# Altium PCB vme64x6U_ctrlc.PcbDoc (part 15 of 16) (continued)
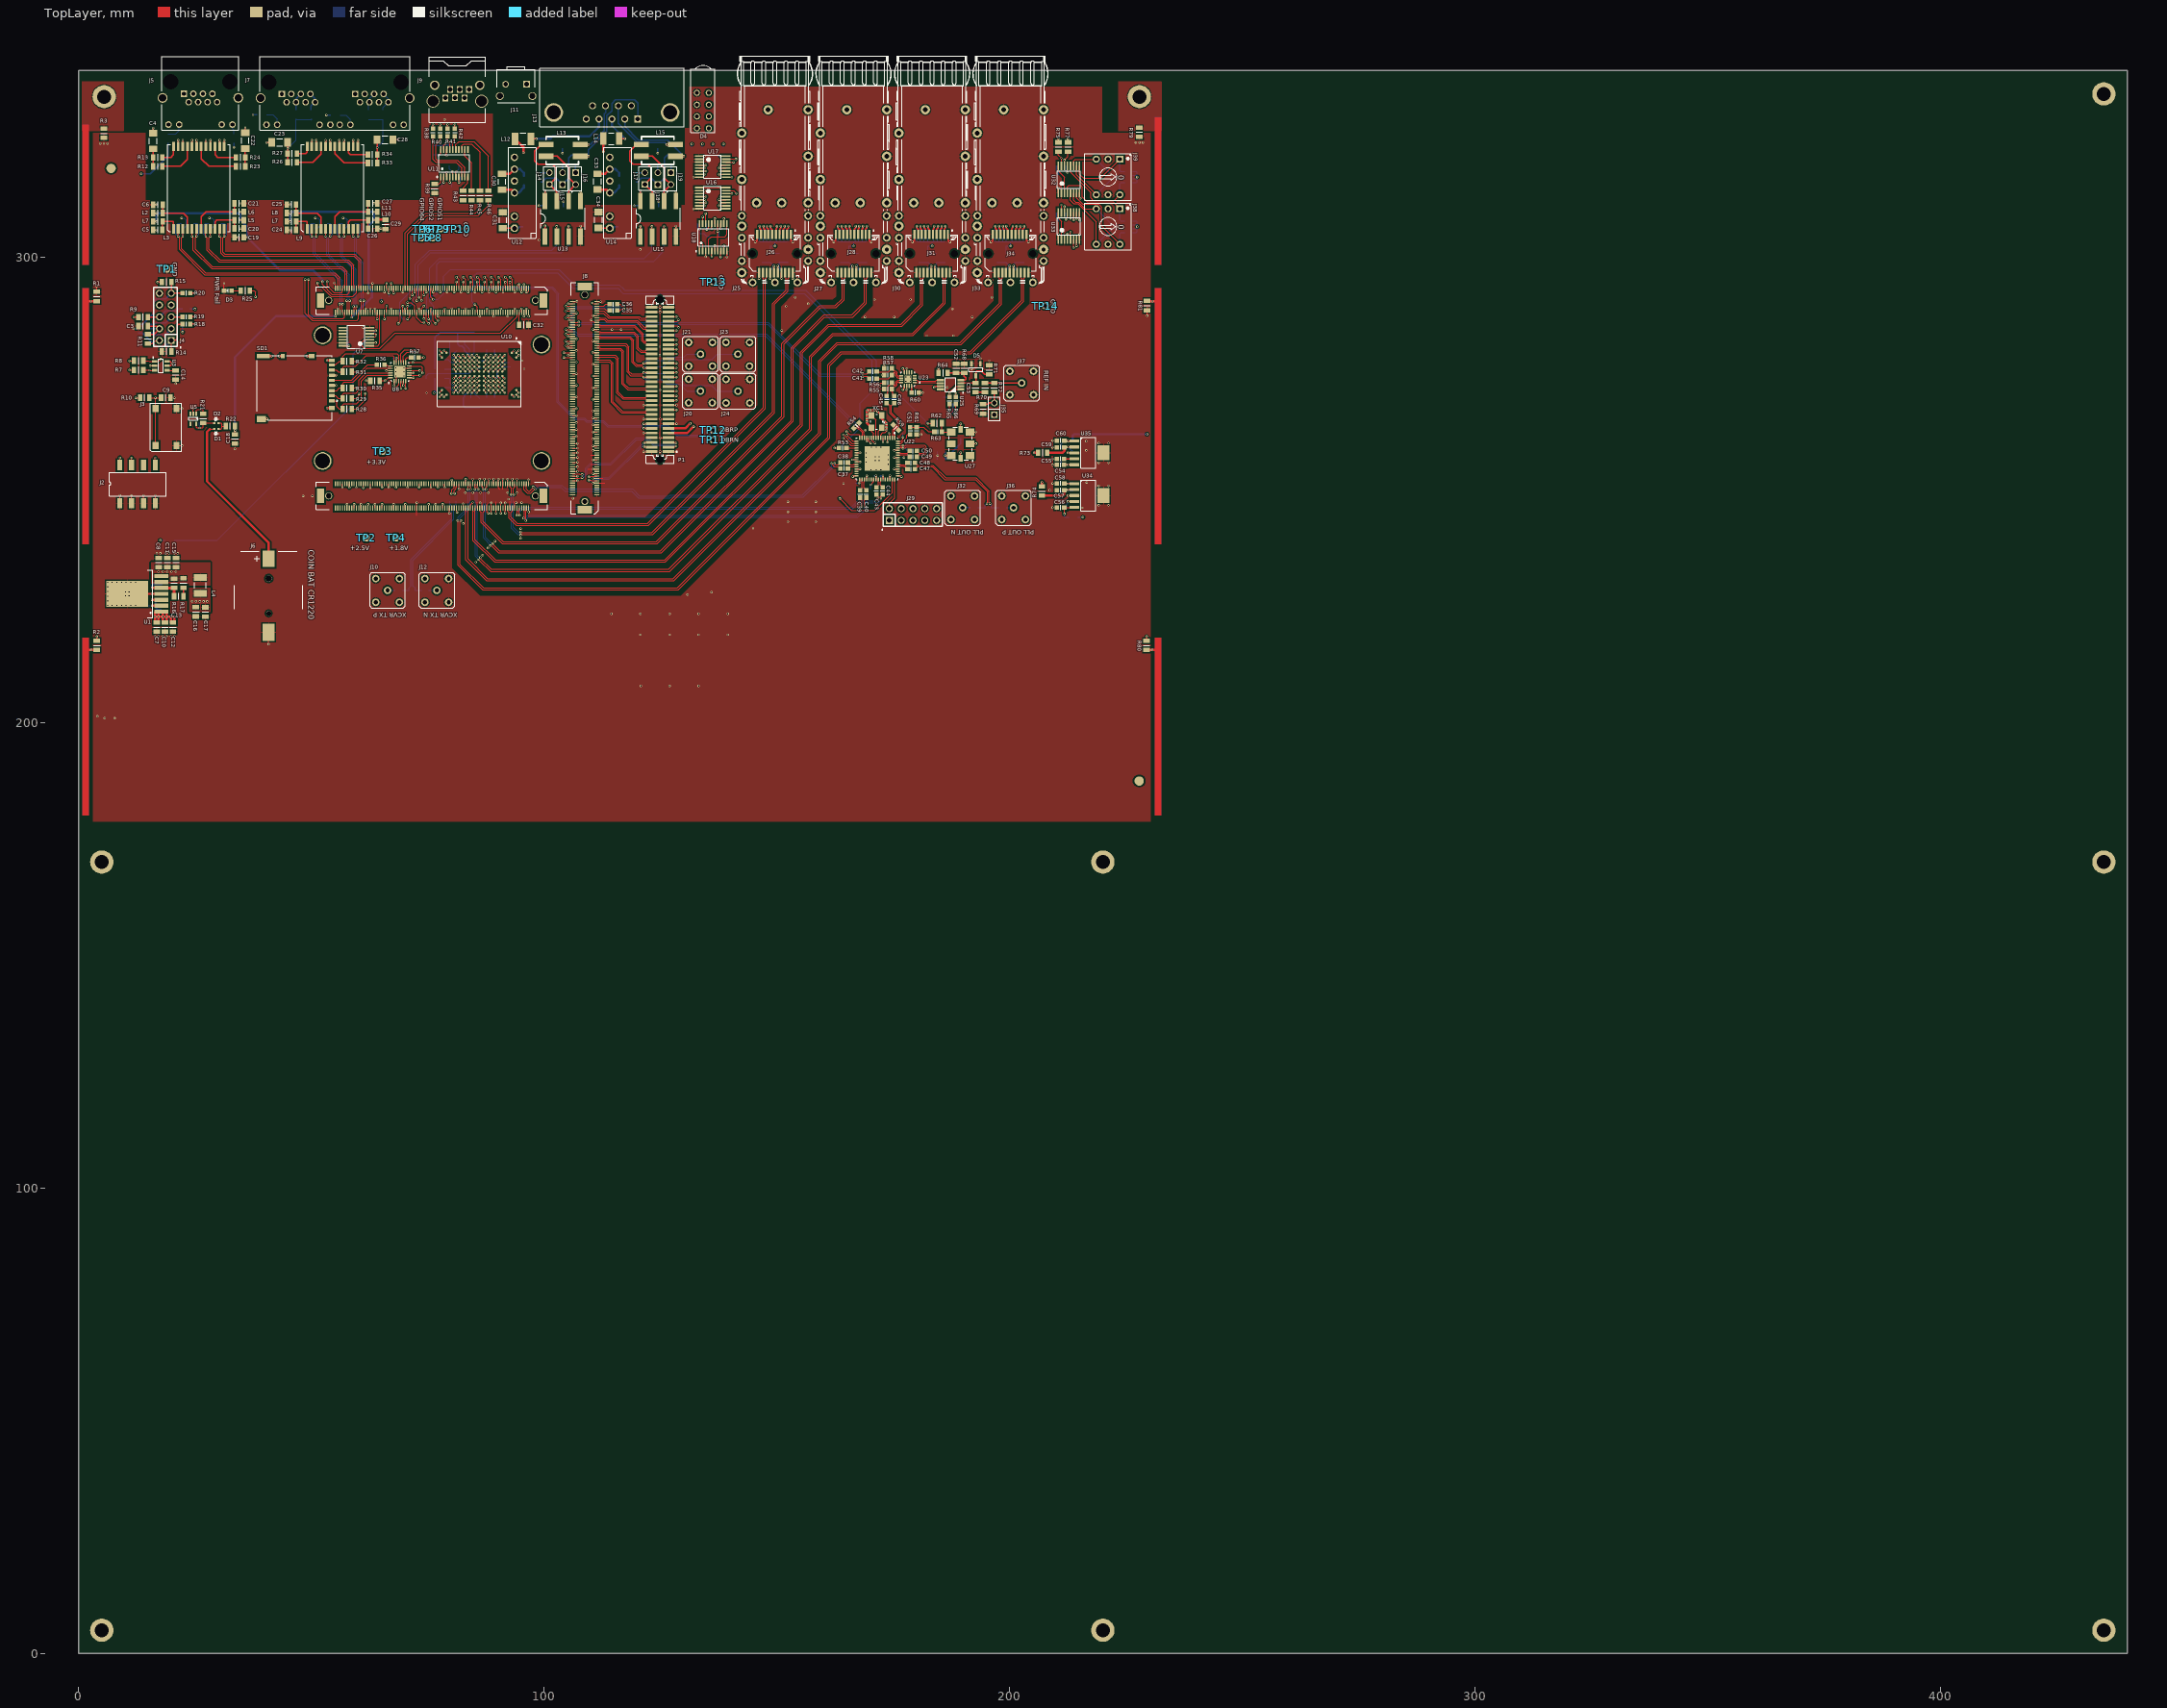
[diagram p0: TopLayer view]
## Nets (pads, with @x,y where several pads share a name; then routed paths per layer and width w, separated by ;. In a path a pad name is that pad's centre, name@x,y a point inside that pad or via, vN(x,y) a via of type N, cw(c..) or ccw(c..) an arc to the next point about the centre after c; other vN are vias at no path point) (continued)
NetL9_21: L9.21 R26.2 | length 7.5
  TopLayer w0.3: R26.2@46.91,320.31 50.335,320.31 52.075,322.05 L9.21@52.075,323.7
NetL9_24: L9.24 R27.2 | length 3.5
  TopLayer w0.3: R27.2@46.91,322.16 48.785,322.16 49.105,322.48 L9.24@49.105,323.7
NetQ1_1: 
NetQ3_1: 
NetQ4_1: 
NetQ6_1: 
NetQ8_1: 
NetQ10_1: 
NetQ11_3: 
NetQ12_1: 
NetQ12_3: 
NetQ13_1: 
NetQ13_3: 
NetQ14_1: 
NetQ14_3: 
NetQ16_1: 
NetQ18_1: 
NetQ19_1: 
NetQ21_1: 
NetQ22_3: 
NetQ23_1: 
NetQ24_1: 
NetQ24_3: 
NetQ25_1: 
NetQ26_1: 
NetQ28_1: 
NetQ29_1: 
NetQ30_1: 
NetQ31_3: 
NetQ32_1: 
NetQ33_1: 
NetQ33_3: 
NetQ34_1: 
NetQ36_1: 
NetQ39_1: 
NetQ40_1: 
NetQ41_1: 
NetQ43_1: 
NetQ45_DCP_D+_1: 
NetQ45_DCP_D+_3: 
NetQ45_DCP_D-_3: 
NetQ45_DCP_H-_3: 
NetQ45_DCP_i+_3: 
NetQ45_DCP_i-_3: 
NetQ45_DCP_S+_1: 
NetQ45_DCP_S+_3: 
NetQ45_DCP_S-_3: 
NetR5_2: 
NetR11_2: 
NetR21_1: R21.1 U5.1 | length 3.1
  TopLayer w0.25: U5.1@25.3,266.325 25.3,267.075 25.425,267.2 26.6,267.2 26.775,267.025 R21.1@26.775,266.3
NetR30_2: 
NetR36_1: R36.1 U8.19 | length 1.5
  TopLayer w0.15: R36.1@65.675,276.8 66.175,276.8 66.425,276.55 U8.19@67.025,276.55
NetR37_1: R37.1 U8.13 | length 2.1
  TopLayer w0.15: U8.13@70.275,277.3 70.275,278.05 70.6,278.375 R37.1@71.45,278.375
NetR39_2: R39.2 U11.1 | length 2.6
  TopLayer w0.25: R39.2@76.485,315.66 77.435,315.66 77.785,316.01 U11.1@77.785,317.16
NetR41_2: 
NetR43_2: R43.2 U11.10 | length 3.4
  TopLayer w0.25: R43.2@82.625,314.175 82.625,314.875 83.635,315.885 U11.10@83.635,317.16
NetR44_2: R44.2 U11.12 | length 9.5
  TopLayer w0.25: U11.12@82.985,323.06 82.985,321.66 84.425,320.22 R44.2@84.425,314.175
NetR45_2: R45.2 U11.13 | length 13.9
  TopLayer w0.25: U11.13@82.335,323.06 82.335,323.885 82.725,324.275 84.425,324.275 86.25,322.45 R45.2@86.25,314.175
NetR46_2: R46.2 U11.15 | length 17.1
  TopLayer w0.25: U11.15@81.035,323.06 81.035,324.085 81.725,324.775 84.932,324.775 88.025,321.682 R46.2@88.025,314.175
NetR52_2: 
NetR60_1: R60.1 U23.16 | length 1.5
  TopLayer w0.3: R60.1@178.9,270.825 U23.16@178.9,272.275
NetR60_2: 
NetR62_1: R62.1 R63.1 U27.4 | length 3.5
  TopLayer w0.25: R62.1@185.425,263.85 R63.1@185.425,262.425 185.46,262.39 U27.4@187.45,262.39
NetR65_2: R65.2 R124.2 R127.1 U25.2 | length 6.1
  TopLayer w0.15: R65.2@187.075,269.925 v1(187.075,270.7) 187.075,270.9 188.4,272.225 U25.2@189.5,272.225
  BottomLayer w0.25: R127.1@185.7,269.9 185.725,269.925 R124.2@187.075,269.925 v1(187.075,270.7)
NetR66_2: R66.2 R118.1 R122.2 U25.1 | length 4.6
  TopLayer w0.15: R66.2@188.45,270.025 v1(188.45,270.7) 188.45,271.375 188.65,271.575 U25.1@189.5,271.575
  BottomLayer w0.25: v1(188.45,270.7) R122.2@188.45,269.925 R118.1@189.825,269.925
NetR73_2: C59.1 C71.2 R73.2 U35.2 | length 8.1
  TopLayer w0.25: C59.1@211.725,259.075 212.429,259.075 v1(212.507,259.153)
  TopLayer w0.3: v1(212.507,259.153) U35.2@213.875,259.153
  TopLayer w0.5: R73.2@208.075,257.9 211.325,257.9 211.725,258.3 C59.1@211.725,259.075
  BottomLayer w0.25: v1(212.507,259.153) 213.252,258.408 C71.2@213.525,258.408
NetR74_2: C57.1 C75.2 C77.2 R74.2 R96.2 U34.2 | length 12.1
  TopLayer w0.3: C57.1@211.723,249.875 211.843,249.995 v1(212.507,249.995) U34.2@213.875,249.995
  TopLayer w0.5: R74.2@206.925,248.7 211.425,248.7 211.723,248.998 C57.1@211.723,249.875
  BottomLayer w0.25: R96.2@209.923,249.775 210.675,249.775 210.9,249.55 C77.2@211.523,249.55 212.062,249.55 v1(212.507,249.995) 212.752,249.75 C75.2@213.673,249.75
NetR90_1: C56.1 R90.1 U34.5 | length 5.1
  TopLayer w0.15: C56.1@211.723,246.15 211.723,244.777 v1(211.725,244.775) ; C56.1@211.723,246.185 U34.5@213.875,246.185
  BottomLayer w0.25: v1(211.725,244.775) 211.725,244.3 211.95,244.075 R90.1@212.7,244.075
NetR93_2: R93.2 U33.13 | length 3.1
  TopLayer w0.15: v1(212.05,308.05) 212.4,308.4 U33.13@212.4,309.52
  BottomLayer w0.15: R93.2@212.025,309.5 212.025,308.075 v1(212.05,308.05)
NetR94_2: R94.2 U32.13 | length 3.1
  TopLayer w0.15: v1(212.4,318.1) U32.13@212.4,319.545
  BottomLayer w0.15: R94.2@212.025,319.55 212.025,318.475 v1(212.4,318.1)
NetR95_1: C54.1 R95.1 U35.5 | length 4.2
  TopLayer w0.3: C54.1@211.7,255.3 211.743,255.343 v1(212.507,255.343) U35.5@213.875,255.343
  BottomLayer w0.25: 211.05,256.225 211.05,255.85 211.557,255.343 v1(212.507,255.343)
NetR132_2: R132.2 U22.39 | length 2.4
  TopLayer w0.15: v1(170.15,251.05) 170.775,251.675 U22.39@170.775,252.225
  BottomLayer w0.15: R132.2@170.15,250.1 v1(170.15,251.05)
NetR142_1: R142.1 U18.4 U18.7 U18.11 U18.14 | length 16.3
  TopLayer w0.15: U18.4@135.35,301.225 135.35,303.75 135.95,304.35 137.3,304.35 ; U18.7@137.3,301.225 137.3,304.35 ; U18.14@137.3,307.125 v1(137.3,305.45) 137.3,304.375 ; U18.11@139.25,307.125 139.25,304.8 138.8,304.35 137.325,304.35 137.3,304.375 ; 137.3,304.35 137.3,304.375
  BottomLayer w0.15: v1(137.3,305.45) 137.6,305.15 R142.1@137.6,304.375
NetR144_2: R144.2 U18.17 | length 2.7
  TopLayer w0.15: v1(134.95,305.875) 135.35,306.275 U18.17@135.35,307.125
  BottomLayer w0.15: v1(134.95,305.875) R144.2@134.95,307.125
NetR148_1: R148.1 U15.3 | length 3.6
  TopLayer w0.25: v1(125.775,306.6) 125.775,304.45 U15.3@125.8,304.425
  BottomLayer w0.25: R148.1@125.775,305.2 v1(125.775,306.6)
NetR153_1: R153.1 U15.2 | length 3.6
  TopLayer w0.25: v1(123.175,306.55) 123.175,304.4 U15.2@123.2,304.375
  BottomLayer w0.25: R153.1@123.175,305.15 v1(123.175,306.55)
NetR156_1: R156.1 U13.3 | length 3.6
  TopLayer w0.25: v1(105.3,306.6) 105.3,304.45 U13.3@105.325,304.425
  BottomLayer w0.25: R156.1@105.3,305.2 v1(105.3,306.6)
NetR157_1: R157.1 U13.2 | length 3.6
  TopLayer w0.25: v1(102.7,306.55) 102.7,304.4 U13.2@102.725,304.375
  BottomLayer w0.25: R157.1@102.7,305.15 v1(102.7,306.55)
NetR174_1: R174.1 U11.20 | length 2.5
  TopLayer w0.25: v1(77.36,321.885) 77.785,322.31 U11.20@77.785,323.06
  BottomLayer w0.25: R174.1@76.26,321.935 77.31,321.935 v1(77.36,321.885)
NetR186_2: 
NetR196_2: 
NetR202_2: 
NetR209_2: 
NetR215_2: 
NetR223_2: 
NetR229_2: 
NetR258_1: 
NetR262_1: 
NetR265_1: 
NetR271_2: 
NetR272_2: 
NetR273_2: 
NetR274_1: 
NetR275_2: 
NetR276_2: 
NetR289_1: 
NetR294_1: 
NetR299_1: 
NetR304_1: 
NetR317_1: 
NetR318_1: 
NetR319_1: 
NetR320_1: 
NetR326_2: 
NetR327_1: 
NetR335_2: 
NetR336_1: 
NetR357_2: 
NetR358_1: 
NetR368_2: 
NetR369_1: 
NetR374_2: 
NetR375_1: 
NetR378_2: 
NetR379_2: 
NetR386_1: 
NetR387_1: 
NetR388_1: 
NetR389_1: 
NetR390_1: 
NetR391_1: 
NetR392_2: 
NetR393_1: 
NetR394_1: 
NetR395_2: 
NetR396_2: 
NetR397_2: 
NetR398_1: 
NetR399_1: 
NetR400_1: 
NetR401_2: 
NetR402_2: 
NetR403_1: 
NetR404_1: 
NetR405_1: 
NetR406_2: 
NetR407_2: 
NetR408_1: 
NetR409_1: 
NetR410_1: 
NetR411_2: 
NetR412_2: 
NetR413_1: 
NetR414_1: 
NetR415_1: 
NetR416_2: 
NetR417_2: 
NetR422_1: 
NetR423_1: 
NetR424_1: 
NetR425_2: 
NetR426_2: 
NetR427_1: 
NetR428_2: 
NetR429_1: 
NetR430_2: 
NetR431_2: 
NetR432_1: 
NetR433_1: 
NetR434_1: 
NetR435_2: 
NetR436_2: 
NetR437_1: 
NetR438_1: 
NetR439_1: 
NetR440_2: 
NetR441_2: 
NetR446_1: 
NetR447_1: 
NetR448_1: 
NetR449_2: 
NetR450_2: 
NetR451_1: 
NetR452_1: 
NetR453_1: 
NetR454_2: 
NetR455_2: 
NetR456_1: 
NetR457_1: 
NetR458_1: 
NetR459_2: 
NetR460_2: 
NetR461_1: 
NetR462_1: 
NetR463_1: 
NetR464_2: 
NetR465_2: 
NetR470_1: 
NetR471_1: 
NetR472_1: 
NetR473_2: 
NetR474_2: 
NetR475_1: 
NetR476_1: 
NetR477_1: 
NetR478_2: 
NetR479_2: 
NetR480_1: 
NetR481_1: 
NetR482_1: 
NetR483_2: 
NetR484_2: 
NetR485_1: 
NetR486_1: 
NetR487_1: 
NetR488_2: 
NetR489_2: 
NetR494_1: 
NetR495_1: 
NetR496_1: 
NetR497_2: 
NetR498_2: 
NetR499_1: 
NetR500_1: 
NetR501_1: 
NetR502_2: 
NetR503_2: 
NetR504_1: 
NetR505_1: 
NetR506_1: 
NetR507_2: 
NetR508_2: 
NetR509_1: 
NetR510_1: 
NetR511_1: 
NetR512_2: 
NetR513_2: 
NetU22_8: U22.8 XC1.1 | length 2.5
  TopLayer w0.15: U22.8@171.775,261.125 171.775,262.55 XC1.1@172.525,263.3
NetU22_9: U22.9 XC1.3 | length 5.2
  TopLayer w0.15: XC1.3@170.325,265.9 171.275,264.95 U22.9@171.275,261.125
NetU60_6: 
NetU60_12: 
OUT0_N: U22.21
OUT0_P: R53.1 U22.20 | length 2.1
  TopLayer w0.15: R53.1@164.925,258.925 U22.20@167.075,258.925
out1: 
OUT1_N: U22.23
OUT1_P: U22.24
out2: 
OUT2_N: C38.1 U22.27 | length 2
  TopLayer w0.25: C38.1@165.225,255.8 165.638,255.388 166.488,255.388 166.525,255.425 U22.27@167.075,255.425
OUT2_P: C37.1 U22.28 | length 2
  TopLayer w0.25: C37.1@165.225,254.525 165.663,254.963 166.488,254.963 166.525,254.925 U22.28@167.075,254.925
out3: 
OUT3_N: U22.30
OUT3_P: U22.31
out4: 
OUT4_N: C39.1 U22.34 | length 2.5
  TopLayer w0.25: C39.1@167.875,249.875 168.313,250.312 168.313,251.638 168.275,251.675 U22.34@168.275,252.225
OUT4_P: C40.1 U22.35 | length 2.6
  TopLayer w0.25: U22.35@168.775,252.225 168.775,251.675 168.738,251.638 168.738,250.338 C40.1@169.2,249.875
out5: 
OUT5_N: U22.37
OUT5_P: U22.38
out6: 
OUT6_N: C43.1 U22.41 | length 1.9
  TopLayer w0.25: C43.1@171.35,250.525 171.813,250.987 171.813,251.638 171.775,251.675 U22.41@171.775,252.225
OUT6_P: C44.1 U22.42 | length 1.9
  TopLayer w0.25: U22.42@172.275,252.225 172.275,251.675 172.238,251.638 172.238,250.988 C44.1@172.7,250.525
out7: 
OUT7_N: U22.44
OUT7_P: U22.45
out8: 
OUT8_N: U22.50
OUT8_P: U22.51
out9: 
OUT9_N: C47.1 U22.53 | length 2.3
  TopLayer w0.15: U22.53@175.975,254.925 176.475,254.925 176.563,255.013 177.125,255.013 ; 177.14,255 177.24,254.9 177.55,254.9 C47.1@178.05,254.4
OUT9_P: C48.1 U22.54 | length 2.4
  TopLayer w0.15: U22.54@175.975,255.425 176.475,255.425 176.563,255.338 177.263,255.338 177.375,255.225 177.55,255.225 C48.1@178.05,255.725
out10: 
OUT10_N: U22.55
OUT10_P: U22.56
out11: 
out12: 
out13: 
out14: 
out15: 
out16: 
out17: 
out18: 
out19: 
out20: 
P0_: 
P0dds: 
P1_: 
P1dds: 
P2_: 
P2dds: 
P3_: 
P3dds: 
PWR_EN: C32.2 J8.A10 | length 2.6
  TopLayer w0.2: C32.2@94.66,285.41 94.675,285.425 J8.A10@94.675,288.05
PWR_FAIL_LED: R25.1 U7.4 U7.5 | length 35
  TopLayer w0.15: R25.1@36.815,292.71 37.715,292.71 38,292.425 v1(38,291.4) ; U7.4@62.56,282.84 63.74,282.84 63.9,283 v1(63.9,283.188) 63.9,283.375 63.785,283.49 U7.5@62.56,283.49
  MidLayer3 w0.15: v1(38,291.4) 39.25,291.4 39.435,291.585 48.565,291.585 51.075,289.075 54.425,289.075 60.313,283.188 v1(63.9,283.188)
PWR_GOOD: J8.A12 U7.3 | length 39.9
  TopLayer w0.15: U7.3@62.56,282.19 61.365,282.19 60.95,281.775 60.95,280.775 61.425,280.3 64.675,280.3 67.975,283.6 90.6,283.6 94.175,287.175 J8.A12@94.175,288.05
Q9_N: C47.2 R115.2 R116.1 | length 23.3
  TopLayer w0.15: C47.2@179.65,254.4 180.15,254.9 183.35,254.9 186.075,252.175 192.65,252.175 195.25,249.575 195.25,247.173 v1(195.078,247)
  BottomLayer w0.25: R116.1@193.125,246.1 R115.2@194.7,246.1 194.7,246.623 v1(195.078,247)
Q9_P: C48.2 R108.1 R112.2 | length 23.8
  TopLayer w0.15: C48.2@179.65,255.725 180.15,255.225 183.485,255.225 186.21,252.5 192.785,252.5 195.575,249.71 195.575,247.173 v1(195.748,247)
  BottomLayer w0.25: v1(195.748,247) 196.1,246.647 R112.2@196.1,246.1 R108.1@197.65,246.1
QBR_N: J8.A45 P1.12 TP11.1 | length 82
  TopLayer w0.15: J8.A45@85.675,293.25 v1(85.675,294.625) ; v1(121.425,263.15) P1.12@123.1,263.15
  BottomLayer w0.15: v1(85.675,294.625) 85.675,294.065 86.54,293.2 101.625,293.2 102.81,292.015 102.81,268.731 106.54,265 108.6,265 109.1,264.5 112.6,264.5 113.65,263.45 121.125,263.45 v1(121.425,263.15) 121.763,263.487 126.563,263.487 128.6,261.45 135.525,261.45 TP11.1@136.3,260.675
QBR_P: J8.A43 P1.14 TP12.1 | length 84
  TopLayer w0.15: v1(85.675,295.625) 86.175,295.125 J8.A43@86.175,293.25 ; v1(121.425,264.15) P1.14@123.1,264.15
  BottomLayer w0.15: v1(85.675,295.625) 86.175,295.125 86.175,294.025 86.675,293.525 101.76,293.525 103.135,292.15 103.135,268.865 106.675,265.325 108.735,265.325 109.235,264.825 112.735,264.825 113.785,263.775 121.05,263.775 v1(121.425,264.15) 121.763,263.813 126.697,263.813 128.735,261.775 135.4,261.775 136.3,262.675 TP12.1@136.3,262.775
r_FDEC: J29.3 U22.25 | length 24.4
  TopLayer w0.15: v1(166.25,256.425) U22.25@167.075,256.425
  MidLayer4 w0.15: v1(166.25,256.425) 165.75,256.425 165.345,256.02 165.345,245.983 166.928,244.4 175.665,244.4 J29.3@176.685,243.38
r_FINC: J29.2 U22.48 | length 6.8
  TopLayer w0.15: J29.2@174.145,245.92 174.145,247.045 175.275,248.175 U22.48@175.275,252.225
r_ISEL0: J29.7 U22.3 | length 24
  TopLayer w0.15: v1(174.05,262.1) 174.275,261.875 U22.3@174.275,261.125
  MidLayer4 w0.15: v1(174.05,262.1) 174.05,261.625 174.33,261.345 176.08,261.345 177.875,259.55 177.875,249.251 180.35,246.776 180.35,244.795 J29.7@181.765,243.38
r_ISEL1: J29.4 U22.4 | length 17.3
  TopLayer w0.15: v1@173.775,260.2 U22.4@173.775,261.125
  MidLayer4 w0.15: v1(173.775,260.175) 175.275,260.175 175.7,259.75 175.7,248.825 176.685,247.84 J29.4@176.685,245.92
r_OEb: J29.6 U22.11 | length 23.1
  TopLayer w0.15: U22.11@170.275,261.125 170.275,260.675 170.925,260.025 v1(171.075,260.025)
  MidLayer4 w0.15: v1(171.075,260.025) 172.075,261.025 175.6,261.025 176.375,260.25 176.375,254.3 177.45,253.225 177.45,249.075 179.225,247.3 J29.6@179.225,245.92
r_RST: J29.5 U22.6 | length 22.7
  TopLayer w0.15: v1(172.775,260.175) U22.6@172.775,261.125
  MidLayer4 w0.15: v1(172.775,260.175) 173.3,260.7 175.4,260.7 176.025,260.075 176.02,260.07 176.02,248.958 177.975,247.003 177.975,244.63 J29.5@179.225,243.38
r_SDO: J29.1 U22.17 | length 28.6
  TopLayer w0.15: v1(165.025,261.725) 166.325,260.425 U22.17@167.075,260.425
  MidLayer4 w0.15: v1(165.025,261.725) 165.025,245.85 167.575,243.3 J29.1@174.145,243.3
RateSel0_SFP0: J26.7 R138.7 U33.4 | length 85.2
  TopLayer w0.15: U33.4@212.4,303.68 v1(212.4,304.95)
  TopLayer w0.3: v1(147.88,306.595) 147.88,306.22 148.175,305.925 J26.7@148.175,304.8
  MidLayer3 w0.15: v1(147.88,306.595) 148.81,307.525 155.88,307.525 158.075,305.33 158.075,303.725 158.925,302.875 160.325,302.875 161.225,303.775 161.225,305.547 163.523,307.845 170.055,307.845 171.37,306.53 173.72,306.53 174.875,305.375 174.875,303.525 175.825,302.575 182,302.575 182.95,301.625 185.072,301.625 188.822,297.875 194.075,297.875 196.7,300.5 196.7,302.075 199.075,304.45 204.615,304.45 206.1,305.935 211.99,305.935 212.4,305.525 v1(212.4,304.95)
  BottomLayer w0.15: R138.7@147.88,305.7 v1(147.88,306.595)
RateSel0_SFP1: J28.7 R134.7 U33.6 | length 69.8
  TopLayer w0.15: v1(213.7,301.975) U33.6@213.7,303.68
  TopLayer w0.3: v1(164.755,306.595) 164.755,306.22 165.05,305.925 J28.7@165.05,304.8
  MidLayer3 w0.15: v1(164.755,306.595) 164.755,306.88 165.075,307.2 169.775,307.2 171.7,305.275 171.7,302.225 172.335,301.59 172.335,301.04 173.125,300.25 177.125,300.25 177.925,299.45 186.325,299.45 190.925,294.85 193.9,294.85 195.32,296.27 195.32,298.195 197.345,300.22 197.345,301.795 199.35,303.8 204.9,303.8 206.38,305.28 208.861,305.28 210.14,304 213.225,304 213.7,303.525 v1(213.7,301.975)
  BottomLayer w0.15: R134.7@164.755,305.7 v1(164.755,306.595)
RateSel0_SFP2: J31.7 R128.7 U33.9 | length 42.8
  TopLayer w0.15: v1(215,307.875) U33.9@215,309.52
  TopLayer w0.3: v1(181.63,306.595) 181.63,306.22 181.925,305.925 J31.7@181.925,304.8
  MidLayer3 w0.15: v1(181.63,306.595) 181.63,305.395 183,304.025 188.725,304.025 189.85,302.9 192.25,302.9 192.525,302.625 196.322,302.625 198.792,305.095 204.348,305.095 205.833,306.58 214.48,306.58 215,307.1 v1(215,307.875)
  BottomLayer w0.15: R128.7@181.63,305.7 v1(181.63,306.595)
RateSel0_SFP3: J34.7 R109.7 U33.11 | length 21.3
  TopLayer w0.15: v1(213.7,307.875) U33.11@213.7,309.52
  TopLayer w0.3: v1(198.505,306.595) 198.505,306.22 198.8,305.925 J34.7@198.8,304.8
  MidLayer3 w0.15: v1(198.505,306.595) 198.505,306.12 198.875,305.75 204.058,305.75 205.538,307.23 213.33,307.23 213.7,307.6 v1(213.7,307.875)
  BottomLayer w0.15: R109.7@198.505,305.7 v1(198.505,306.595)
RateSel1_SFP0: J26.9 R138.5 U33.5 | length 80.7
  TopLayer w0.15: U33.5@213.05,303.68 v1(213.05,305.325)
  TopLayer w0.3: v1(146.28,306.595) 146.28,306.17 146.575,305.875 J26.9@146.575,304.8
  MidLayer3 w0.15: v1(146.28,306.595) 147.535,307.85 156.05,307.85 158.625,305.275 160.5,305.275 163.4,308.175 170.2,308.175 171.525,306.85 173.95,306.85 175.525,305.275 180.825,305.275 182.4,303.7 183.45,303.7 187.575,299.575 188.825,299.575 189.55,300.3 192.55,300.3 194.555,302.305 196.455,302.305 198.925,304.775 204.48,304.775 205.965,306.26 212.125,306.26 v1@213.055,305.33
  BottomLayer w0.15: R138.5@146.28,305.7 v1(146.28,306.595)
RateSel1_SFP1: J28.9 R134.5 U33.7 | length 70.4
  TopLayer w0.15: v1(214.35,302.35) U33.7@214.35,303.68
  TopLayer w0.3: v1(163.155,306.595) 163.155,306.17 163.45,305.875 J28.9@163.45,304.8
  MidLayer3 w0.15: v1(163.155,306.595) 163.155,306.93 163.75,307.525 169.91,307.525 172.025,305.41 172.025,304 173.125,302.9 174.95,302.9 175.6,302.25 181.872,302.25 182.817,301.305 184.94,301.305 191.045,295.2 193.775,295.2 195,296.425 195,298.328 197.025,300.353 197.025,301.928 199.217,304.12 204.745,304.12 206.23,305.605 208.995,305.605 210.275,304.325 213.85,304.325 214.35,303.825 v1(214.35,302.35)
  BottomLayer w0.15: R134.5@163.155,305.7 v1(163.155,306.595)
RateSel1_SFP2: J31.9 R128.5 U33.10 | length 42.2
  TopLayer w0.15: v1(214.35,308.25) U33.10@214.35,309.52
  TopLayer w0.3: v1(180.03,306.595) 180.03,306.17 180.325,305.875 J31.9@180.325,304.8
  MidLayer3 w0.15: v1(180.03,306.595) 180.03,307.08 180.35,307.4 182.825,307.4 183.125,307.1 183.125,306.05 183.85,305.325 197.625,305.325 197.725,305.425 204.205,305.425 205.69,306.91 213.91,306.91 214.35,307.35 v1(214.35,308.25)
  BottomLayer w0.15: R128.5@180.03,305.7 v1(180.03,306.595)
RateSel1_SFP3: J34.9 R109.5 U33.12 | length 22.7
  TopLayer w0.15: v1(213.05,308.25) U33.12@213.05,309.52
  TopLayer w0.3: v1(196.905,306.595) 196.905,306.17 197.2,305.875 J34.9@197.2,304.8
  MidLayer3 w0.15: v1(196.905,306.595) 196.905,307.055 197.125,307.275 199.775,307.275 200,307.05 200,306.525 200.45,306.075 203.93,306.075 205.41,307.555 212.805,307.555 213.05,307.8 v1(213.05,308.25)
  BottomLayer w0.15: R109.5@196.905,305.7 v1(196.905,306.595)
Reserv0: 
Reserv1: 
RL_CH0: 
RL_CH0dds: 
RL_CH1_1: 
RL_CH1_1dds: 
RL_CH1_2: 
RL_CH1_2dds: 
RST_R: J4.6 R9.1 R190.2 | length 8.2
  TopLayer w0.3: R9.1@14.875,287.05 17.33,287.05 J4.6@17.38,287.1
  BottomLayer w0.3: J4.6@17.38,287.1 18.68,288.4 20.975,288.4 21.36,288.785 R190.2@22.36,288.785
RSV0_: 
RSV0_Host2i: 
RSV0i: 
RSV1_: 
RSV1_Host2i: 
RSV1i: 
RSV2_: 
RSV2_Host2i: 
RSV2i: 
RSV3_: 
RSV3_i2Host: 
RSV3i: 
RSV4_: 
RSV4_i2Host: 
RSV4i: 
RSV5_: 
RSV5_i2Host: 
RSV5i: 
RSV6_: 
RSV6_i2Host: 
RSV6i: 
RSV7_: 
RSV7_Host2i: 
RSV7i: 
RSV8_i2Host: 
RSV8i: 
RSV9_i2Host: 
RSV9i: 
RSV10_Host2i: 
RSV10i: 
RSV11_Host2i: 
RSV11i: 
RSV12_Host2i: 
RSV12i: 
RxLos_SFP0: J26.8 R138.6 U16.4 | length 22.9
  TopLayer w0.15: U16.4@133.255,312.925 v1(134.75,312.925)
  TopLayer w0.3: v1(147.08,306.595) 147.08,306.17 147.375,305.875 J26.8@147.375,304.8
  MidLayer4 w0.15: v1(134.75,312.925) 135.89,311.785 135.89,310.893 136.978,309.805 140.295,309.805 141.21,308.89 141.21,305.765 141.62,305.355 146.305,305.355 147.08,306.13 v1(147.08,306.595)
  BottomLayer w0.15: R138.6@147.08,305.7 v1(147.08,306.595)
RxLos_SFP1: J28.8 R134.6 U16.9 | length 31.7
  TopLayer w0.15: v1(137.9,310.325) U16.9@138.95,310.325
  TopLayer w0.3: v1(163.955,306.595) 163.955,306.17 164.25,305.875 J28.8@164.25,304.8
  MidLayer4 w0.15: v1@137.875,310.325 160.6,310.325 163.955,306.97 v1(163.955,306.595)
  BottomLayer w0.15: R134.6@163.955,305.7 v1(163.955,306.595)
RxLos_SFP2: J31.8 R128.6 U17.4 | length 74.4
  TopLayer w0.15: U17.4@133.255,319.7 v1(134.75,319.7)
  TopLayer w0.3: v1(180.83,306.595) 180.83,306.17 181.125,305.875 J31.8@181.125,304.8
  MidLayer4 w0.15: v1(134.75,319.7) 137.905,316.545 140.527,316.545 141.877,315.195 185.652,315.195 187.475,313.372 187.475,305.95 186.95,305.425 182,305.425 v1(180.83,306.595)
  BottomLayer w0.15: R128.6@180.83,305.7 v1(180.83,306.595)
RxLos_SFP3: J34.8 R109.6 U17.9 | length 72
  TopLayer w0.15: U17.9@139.095,317.1 v1(140.35,317.1)
  TopLayer w0.3: v1(197.705,306.595) 197.705,306.17 198,305.875 J34.8@198,304.8
  MidLayer4 w0.15: v1(140.35,317.1) 141.5,318.25 194.975,318.25 197.705,315.52 v1(197.705,306.595)
  BottomLayer w0.15: R109.6@197.705,305.7 v1(197.705,306.595)
SCLK: 
SCLK_host2hall: 
SCLK_Host2i: 
SCLKdds: 
SCLKi: 
SDCARD_CLK: R36.2 SD1.5 | length 11.1
  TopLayer w0.15: SD1.5@54.375,273.475 58.725,273.475 62.05,276.8 R36.2@64.075,276.8
SDCARD_CMD: R30.2 SD1.3 U8.20 | length 15.2
  TopLayer w0.15: SD1.3@54.375,271.275 55.45,271.275 56,271.825 R30.2@56.7,271.825 56.7,272.725 57.05,273.075 59.05,273.075 62.025,276.05 U8.20@67.025,276.05
SDCARD_D0: R31.2 SD1.7 U8.18 | length 16.4
  TopLayer w0.15: SD1.7@54.375,275.675 55.4,275.675 55.75,275.325 R31.2@56.7,275.325 ; R31.2@56.7,275.7 56.7,276.15 57.025,276.475 59.5,276.475 61.825,278.8 67.475,278.8 67.775,278.5 U8.18@67.775,277.3
SDCARD_D1: R32.2 SD1.8 U8.16 | length 17.7
  TopLayer w0.15: SD1.8@54.375,276.775 55.225,276.775 56.025,277.575 R32.2@56.7,277.575 56.7,278.55 57.4,279.25 68.35,279.25 68.775,278.825 U8.16@68.775,277.3
SDCARD_D2: R28.2 SD1.1 U8.23 | length 19.6
  TopLayer w0.15: SD1.1@54.375,269.075 55.125,269.075 55.475,268.725 55.475,267.85 56,267.325 R28.2@56.7,267.325 56.7,268.125 57.025,268.45 59.7,268.45 60.775,269.525 60.775,273.3 62.025,274.55 U8.23@67.025,274.55
SDCARD_D3: R29.2 SD1.2 U8.22 | length 16.9
  TopLayer w0.15: SD1.2@54.375,270.175 55.2,270.175 55.8,269.575 R29.2@56.7,269.575 56.7,270.4 57.05,270.75 59.6,270.75 60.275,271.425 60.275,273.507 61.818,275.05 U8.22@67.025,275.05
SDEPAD1: SD1.9 | length 0.7
  TopLayer w0.5: v1(43.125,278.675) SD1.9@43.875,278.675
SDEPAD2: SD1.10 | length 1
  TopLayer w0.5: v1(53.375,277.725) SD1.10@54.375,277.725
SDEPAD3: SD1.11 | length 1
  TopLayer w0.5: v1(53.375,267.525) SD1.11@54.375,267.525
SDEPAD4: SD1.13 | length 1.8
  TopLayer w0.5: SD1.13@39.725,278.675 v1(41.5,278.675)
SDEPAD5: SD1.12 | length 1.2
  TopLayer w0.5: SD1.12@39.275,265.175 v1(40.475,265.175)
SDEPAD6: SD1.14 | length 1
  TopLayer w0.5: v1(49.075,278.675) SD1.14@50.075,278.675
SDIO_0_: 
SDIO_0_DIR: 
SDIO_0dds: 
SDIO_1&3_DIR: 
SDIO_1_: 
SDIO_1dds: 
SDIO_2_: 
SDIO_2_DIR: 
SDIO_2dds: 
SDIO_3_: 
SDIO_3dds: 
SDIO_CLK: J8.A91 U8.9 | length 20.7
  TopLayer w0.15: U8.9@71.025,275.05 v1(71.95,275.05) ; v1(74.175,291.825) J8.A91@74.175,293.25
  MidLayer3 w0.15: v1(71.95,275.05) 71.18,275.82 71.18,280.63 72.775,282.225 72.775,285.4 73.675,286.3 73.675,289.775 74.175,290.275 v1(74.175,291.825)
SDIO_CMD: J8.A93 U8.4 | length 26.3
  TopLayer w0.15: v1(69.275,271.8) U8.4@69.275,273.3 ; v1(73.675,290.675) J8.A93@73.675,293.25
  MidLayer3 w0.15: v1(69.275,271.8) 69.85,271.225 70.475,271.225 70.825,271.575 70.825,280.775 72.455,282.405 72.455,289.03 73.675,290.25 v1(73.675,290.675)
SDIO_D0: J8.A95 U8.6 | length 24.2
  TopLayer w0.15: v1(70.275,271.8) U8.6@70.275,273.3 ; v1(73.175,291.3) J8.A95@73.175,293.25
  MidLayer3 w0.15: v1(70.275,271.8) 70.275,273.85 70.425,274 70.425,280.85 72.135,282.56 72.135,289.26 73.175,290.3 v1(73.175,291.3)
SDIO_D1: J8.A97 U8.7 | length 30.2
  TopLayer w0.15: U8.7@71.025,274.05 v1(71.95,274.05) ; v1(72.675,290.6) J8.A97@72.675,293.25
  MidLayer3 w0.15: v1(71.95,274.05) 71.95,272.15 70.705,270.905 69.295,270.905 68.775,271.425 68.775,279.675 70.305,281.205 70.31,281.205 71.815,282.71 71.815,289.465 72.675,290.325 v1(72.675,290.6)
SDIO_D2: J8.A101 U8.1 | length 24.4
  TopLayer w0.15: v1(67.775,272.375) U8.1@67.775,273.3 ; v1(71.675,291.825) J8.A101@71.675,293.25
  MidLayer3 w0.15: v1(67.775,272.375) 67.475,272.675 67.475,280.075 68.925,281.525 70.178,281.525 71.495,282.842 71.495,290.47 71.675,290.65 v1(71.675,291.825)
SDIO_D3: J8.A103 U8.3 | length 26.4
  TopLayer w0.15: v1(67.775,271.625) 68.775,272.625 U8.3@68.775,273.3 ; v1(71.175,291.025) J8.A103@71.175,293.25
  MidLayer3 w0.15: v1(67.775,271.625) 67.15,272.25 67.15,280.225 68.77,281.845 70.045,281.845 71.175,282.975 v1(71.175,291.025)
SDIO_SEL: J2.5 R35.1 U8.24 | length 68.9
  TopLayer w0.15: R35.1@64.675,273.375 v1(65.825,273.375) 66.5,274.05 U8.24@67.025,274.05
  TopLayer w0.25: J2.5@16.49,255.275 v1(16.49,256.845)
  MidLayer3 w0.15: v1(16.49,256.845) 16.49,262.765 33.175,279.45 59.75,279.45 v1(65.825,273.375)
SDO: 
SDO_i2Host: 
SDOi: 
SFP_I2C_0.SCL: J26.5 R136.5 U18.6 | length 19.4
  TopLayer w0.15: U18.6@136.65,301.225 v1(136.65,302.4)
  TopLayer w0.3: J26.5@149.775,304.8 149.775,305.975 150.03,306.23 v1(150.03,306.595)
  MidLayer3 w0.15: v1(136.65,302.4) 136.65,303 139,305.35 148.785,305.35 v1(150.03,306.595)
  BottomLayer w0.15: R136.5@150.03,305.7 v1(150.03,306.595)
SFP_I2C_0.SDA: J26.4 R136.6 U18.5 | length 22.1
  TopLayer w0.15: v1(136,300.05) U18.5@136,301.225
  TopLayer w0.3: J26.4@150.575,304.8 150.575,305.925 150.83,306.18 v1(150.83,306.595)
  MidLayer3 w0.15: v1(136,300.05) 137.61,301.66 137.61,302.585 138.05,303.025 143.125,303.025 145.125,305.025 149.26,305.025 v1(150.83,306.595)
  BottomLayer w0.15: R136.6@150.83,305.7 v1(150.83,306.595)
SFP_I2C_1.SCL: J28.5 R133.5 U18.9 | length 35.8
  TopLayer w0.15: U18.9@138.6,301.15 U18.9@138.6,301.225 v1(138.6,302.325)
  TopLayer w0.3: J28.5@166.65,304.8 166.65,305.975 166.905,306.23 v1(166.905,306.595)
  MidLayer3 w0.15: v1(138.6,302.325) 142.878,302.325 145.153,304.6 154.128,304.6 155.703,303.025 158.3,303.025 158.825,302.5 162.81,302.5 v1(166.905,306.595)
  BottomLayer w0.15: R133.5@166.905,305.7 v1(166.905,306.595)
SFP_I2C_1.SDA: J28.4 R133.6 U18.8 | length 40.8
  TopLayer w0.15: v1(137.95,299.975) U18.8@137.95,301.15
  TopLayer w0.3: J28.4@167.45,304.8 167.45,305.925 167.705,306.18 v1(167.705,306.595)
  MidLayer3 w0.15: v1(137.95,299.975) 138.5,300.525 139.65,301.675 142.7,301.675 145.225,304.2 154.075,304.2 155.46,302.815 155.46,300.965 156.125,300.3 157.625,300.3 159.5,302.175 163.285,302.175 v1(167.705,306.595)
  BottomLayer w0.15: R133.6@167.705,305.7 v1(167.705,306.595)
SFP_I2C_2.SCL: J31.5 R126.5 U18.13 | length 53.2
  TopLayer w0.15: v1(137.95,306.05) U18.13@137.95,307.125
  TopLayer w0.3: J31.5@183.525,304.8 183.525,305.975 183.78,306.23 v1(183.78,306.595)
  MidLayer3 w0.15: v1@137.975,306.025 141.875,309.925 181.325,309.925 183.78,307.47 v1(183.78,306.595)
  BottomLayer w0.15: R126.5@183.78,305.7 v1(183.78,306.595)
SFP_I2C_2.SDA: J31.4 R126.6 U18.12 | length 52.6
  TopLayer w0.15: U18.12@138.6,307.125 v1(138.6,308.2)
  TopLayer w0.3: J31.4@184.325,304.8 184.325,305.925 184.58,306.18 v1(184.58,306.595)
  MidLayer3 w0.15: v1(138.6,308.2) 139.69,308.2 141.765,310.275 181.45,310.275 184.58,307.145 v1(184.58,306.595)
  BottomLayer w0.15: R126.6@184.58,305.7 v1(184.58,306.595)
SFP_I2C_3.SCL: J34.5 R105.5 U18.16 | length 74.4
  TopLayer w0.15: v1(136,306.05) U18.16@136,307.125
  TopLayer w0.3: J34.5@200.4,304.8 200.4,305.975 200.655,306.23 v1(200.655,306.595)
  MidLayer3 w0.15: v1(136,306.05) 137.225,307.275 137.225,307.675 138.25,308.7 139.725,308.7 143.9,312.875 179.95,312.875 182.82,310.005 193.97,310.005 194.925,309.05 198.525,309.05 200.655,306.92 v1(200.655,306.595)
  BottomLayer w0.15: R105.5@200.655,305.7 v1(200.655,306.595)
SFP_I2C_3.SDA: J34.4 R105.6 U18.15 | length 73.5
  TopLayer w0.15: U18.15@136.65,307.125 v1(136.65,308.2)
  TopLayer w0.3: J34.4@201.2,304.8 201.2,305.925 201.455,306.18 v1(201.455,306.595)
  MidLayer3 w0.15: v1(136.65,308.2) 137.075,308.2 137.925,309.05 139.6,309.05 143.745,313.195 180.083,313.195 182.953,310.325 194.103,310.325 195.058,309.37 198.68,309.37 v1(201.455,306.595)
  BottomLayer w0.15: R105.6@201.455,305.7 v1(201.455,306.595)
SFP_IO_0.TxDis: J26.3 R136.7 U16.6 | length 29.5
  TopLayer w0.15: U16.6@133.4,311.625 v1(134.75,311.625)
  TopLayer w0.3: J26.3@151.375,304.8 151.375,305.95 151.63,306.205 v1(151.63,306.595)
  MidLayer4 w0.15: v1(134.75,311.625) 135.25,311.125 135.25,310.628 136.713,309.165 140.03,309.165 140.57,308.625 ; 140.57,308.61 140.57,303.802 141.692,302.68 147.715,302.68 v1(151.63,306.595)
  BottomLayer w0.15: R136.7@151.63,305.7 v1(151.63,306.595)
SFP_IO_0.TxFault: J26.2 R136.8 U16.7 | length 30
  TopLayer w0.15: U16.7@133.4,310.975 v1(134.45,310.975)
  TopLayer w0.3: J26.2@152.175,304.8 152.175,305.95 152.43,306.205 v1(152.43,306.595)
  MidLayer4 w0.15: v1(134.45,310.975) 136.58,308.845 139.897,308.845 140.25,308.492 140.25,303.67 141.57,302.35 148.185,302.35 v1(152.43,306.595)
  BottomLayer w0.15: R136.8@152.43,305.7 v1(152.43,306.595)
SFP_IO_1.TxDis: J28.3 R133.7 U16.11 | length 39.3
  TopLayer w0.15: v1@137.895,311.625 v1(137.9,311.625) U16.11@139.095,311.625
  TopLayer w0.3: J28.3@168.25,304.8 168.25,305.95 168.505,306.205 v1(168.505,306.595)
  MidLayer4 w0.15: v1@138.02,311.625 142.55,311.625 144.35,313.425 163.7,313.425 163.825,313.425 165.875,311.375 165.875,310.15 168.505,307.52 v1(168.505,306.595)
  BottomLayer w0.15: R133.7@168.505,305.7 v1(168.505,306.595)